# Altium PCB neuro_module.PcbDoc (part 3 of 5)
Units mm, origin at the board's own origin, x right, y up, seen from the top; angles counter-clockwise.
Board outline 96.06 x 102.67 mm, 6 copper layers (Top Layer, Power Layer, Signal Layer 1, GND Plane, Signal Layer 2, Bottom Layer), stack 1.48 mm thick; 479 components, 526 nets, 1822 pads, 1001 vias.
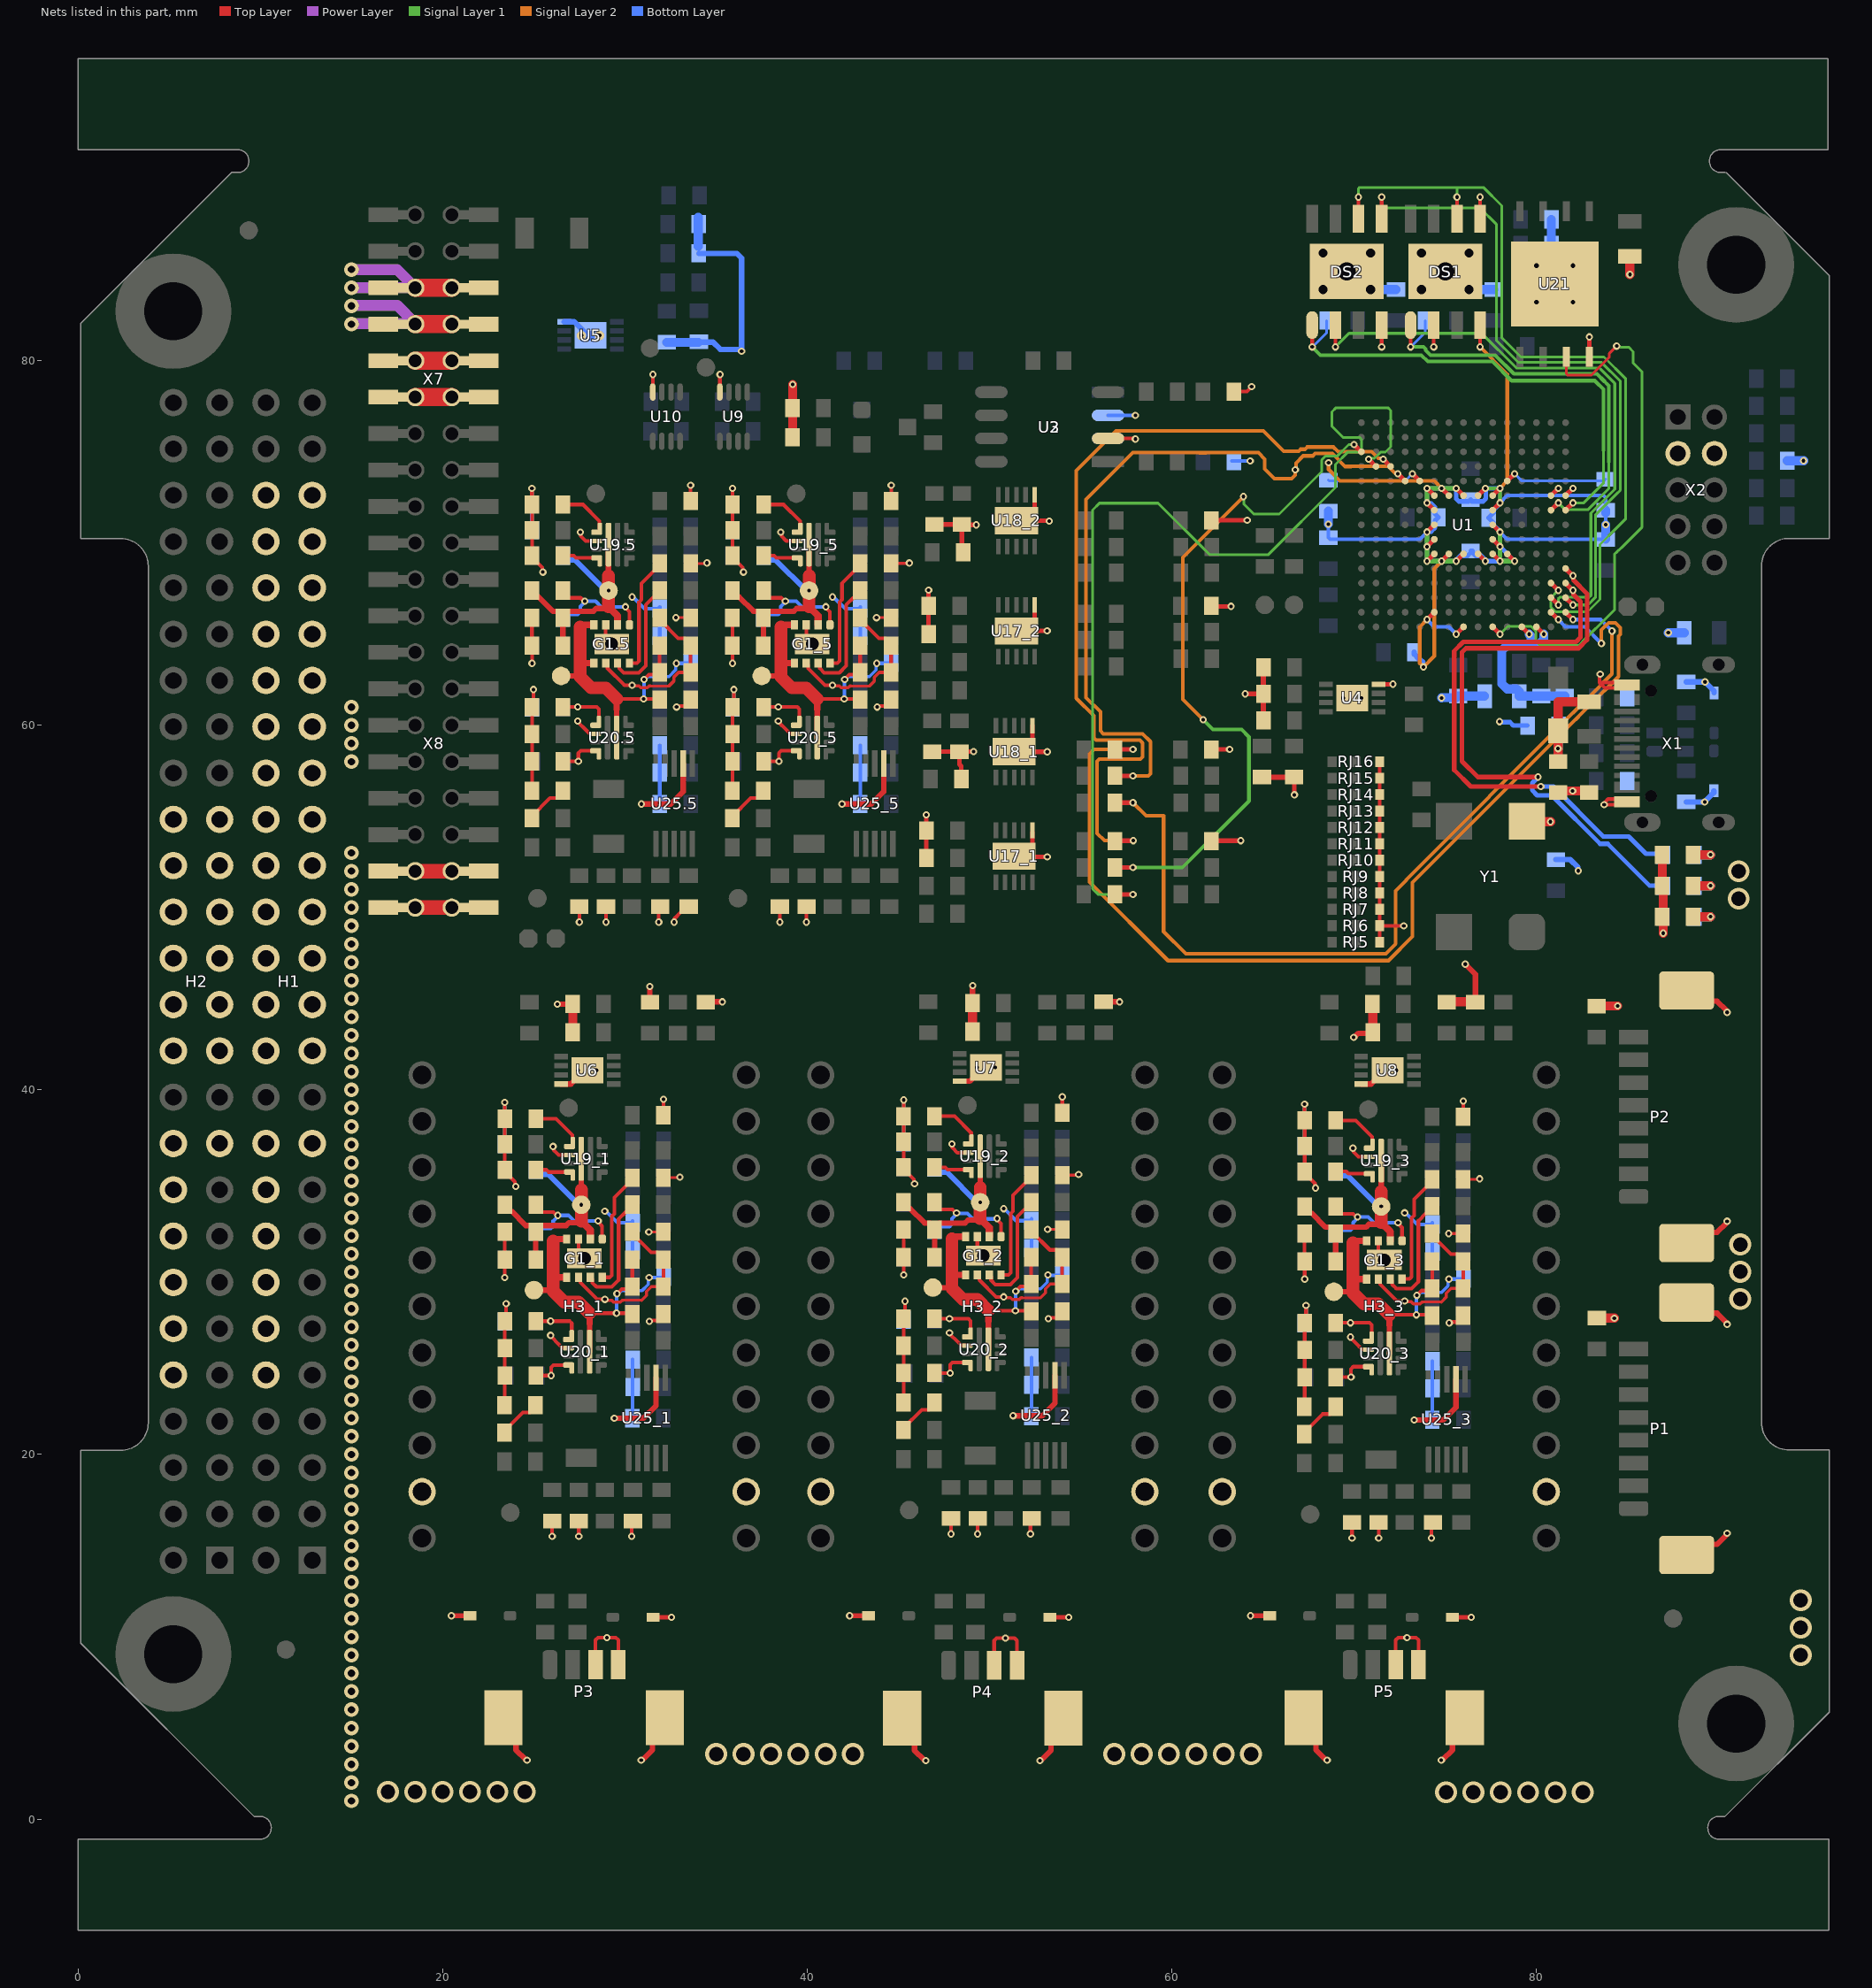
[diagram p7: the nets of this part, all layers, seen from the top]

## Via types
v1: diameter 0.4, hole 0.2, Top Layer to Bottom Layer, tented both sides, 835 vias
v2: diameter 0.8, hole 0.4, Top Layer to Bottom Layer, tented both sides, 89 vias
v3: diameter 1.2, hole 0.8, Top Layer to Bottom Layer, 32 vias
v4: diameter 0.6, hole 0.6, Top Layer to Bottom Layer, tented both sides, 16 vias
v5: diameter 0.4, hole 0.2, Top Layer to Bottom Layer, 11 vias
v6: diameter 0.5, hole 0.2, Top Layer to Bottom Layer, tented top, 8 vias
v7: diameter 0.5, hole 0.25, Top Layer to Bottom Layer, tented both sides, 4 vias
v8: diameter 0.9, hole 0.9, Top Layer to Bottom Layer, 3 vias
v9: diameter 0.5, hole 0.2, Top Layer to Bottom Layer, tented bottom, 2 vias
v10: diameter 0.8, hole 0.5, Top Layer to Bottom Layer, 1 vias

## Nets (pads, with @x,y where several pads share a name; then routed paths per layer and width w, separated by ;. In a path a pad name is that pad's centre, name@x,y a point inside that pad or via, vN(x,y) a via of type N, cw(c..) or ccw(c..) an arc to the next point about the centre after c; other vN are vias at no path point) (continued)
FLASH_WP_IO2: U1.K1 U21.3 | length 29.1
  Top Layer w0.15: U21.3@81.64,80.22 81.64,79.288 81.728,79.2 83,79.2 84,80.2 84,80.4 v1(84.4,80.8)
  Top Layer w0.25: U1.K1@77.6,65.4 v1(78,65)
  Signal Layer 1 w0.15: v1(78,65) 78.425,65.425 79.445,65.425 79.705,65.425 79.975,65.155 79.975,64.625 80.225,64.375 82.33,64.375 82.705,64.75 83.854,65.899 84.289,66.334 84.289,67.646 84.289,69.389 84.395,69.495 84.495,69.595 84.519,69.595 84.729,69.805 85.8,70.876 85.8,79.376 85.624,79.552 85.308,79.867 85.308,80.493 85.059,80.742 84.613,80.742 84.602,80.752 84.448,80.752 v1(84.4,80.8)
GND: C1.1 C2.1 C3.1 C4.1 C5_1.1 C5_2.1 C6_1.1 C6_2.1 C7.1 C8_1.1 C8_2.1 C9.5.1 C9_1.1 C9_2.1 C9_3.1 C9_5.1 C10.5.1 C10_1.1 C10_2.1 C10_3.1 C10_5.1 C11.5.1 C11_1.1 C11_2.1 C11_3.1 C11_5.1 C12.5.1 C12_1.1 C12_2.1 C12_3.1 C12_5.1 C13.5.1 C13_1.1 C13_2.1 C13_3.1 C13_5.1 C14.5.1 C14_1.1 C14_2.1 C14_3.1 C14_5.1 C15.5.1 C15_1.1 C15_2.1 C15_3.1 C15_5.1 C16.5.1 C16_1.1 C16_2.1 C16_3.1 C16_5.1 C17.5.1 C17_1.1 C17_2.1 C17_3.1 C17_5.1 C18.5.1 C18_1.1 C18_2.1 C18_3.1 C18_5.1 C19.5.1 C19_1.1 C19_2.1 C19_3.1 C19_5.1 C20.1 C21.1 C24.1 C25.1 C26.1 C27.1 C28.1 C29.1 C30.1 C31.1 C32.5.1 C32_1.1 C32_2.1 C32_3.1 C32_5.1 C33.1 C34.1 C35.1 C36.1 C37.1 C40.1 C41.1 C42.1 C45.1 C46.1 C47.1 C48.1 C49.1 D1.5.2 D1_1.2 D1_2.2 D1_3.2 D1_5.2 D2.2 D3.2 D4.2 DS1.4 DS1.TP DS2.4 DS2.TP G1.5.3 G1.5.9 G1_1.3 G1_1.9 G1_2.3 G1_2.9 G1_3.3 G1_3.9 G1_5.3 G1_5.9 H1.10 H1.12 H1.14 H1.16 H1.18 H2.10 H2.12 H2.14 H2.16 H2.18 H3_1.2 H3_1.21 H3_2.2 H3_2.21 H3_3.2 H3_3.21 L3.2 L5.1 P1.MP1 P1.MP2 P2.MP1 P2.MP2 P3.3 P3.4 P3.MP1 P3.MP2 P4.3 P4.4 P4.MP1 P4.MP2 P5.3 P5.4 P5.MP1 P5.MP2 R9.1 R11_1.1 R11_2.1 R12.1 R13.1 R14.1 R16.1 R23.5.1 R23_1.1 R23_2.1 R23_3.1 R23_5.1 R27.5.1 R27_1.1 R27_2.1 R27_3.1 R27_5.1 R28.5.1 R28_1.1 R28_2.1 R28_3.1 R28_5.1 R30.5.1 R30_1.1 R30_2.1 R30_3.1 R30_5.1 R35.5.2 R35_1.2 R35_2.2 R35_3.2 R35_5.2 R40.5.1 R40_1.1 R40_2.1 R40_3.1 R40_5.1 R43.5.1 R43_1.1 R43_2.1 R43_3.1 R43_5.1 R44.5.1 R44_1.1 R44_2.1 R44_3.1 R44_5.1 R45.5.1 R45_1.1 R45_2.1 R45_3.1 R45_5.1 R52.1 R53_1.1 R53_2.1 R56.1 R61_1.1 R61_2.1 R62_1.1 R62_2.1 R65.1 R68.1 R69.1 R73.2 R74.1 R76.1 R78.1 R84.5.1 R85.5.1 R85_1.1 R85_2.1 R85_3.1 R89.1 R90.1 R94.1 R102.1 R103.1 R107.1 R108.1 R115.1 RJ5.2 RJ6.2 RJ7.2 RJ8.2 RJ9.2 RJ10.2 RJ11.2 RJ12.2 RJ13.2 RJ14.2 RJ15.2 RJ16.2 U1.F2 U1.F6 U1.F7 U1.F8 U1.F9 U1.F10 U1.G6 U1.G10 U1.H1 U1.H6 U1.H10 U1.J6 U1.J10 U1.K6 U1.K7 U1.K8 U1.K9 U1.K10 U1.L6 U2.2 U3.2 U4.4 U4.9 U5.4 U5.9 U6.4 U6.9 U7.4 U7.9 U8.4 U8.9 U9.4 U10.4 U17_1.6 U17_1.11 U17_2.6 U17_2.11 U18_1.6 U18_1.11 U18_2.6 U18_2.11 U19.5.8 U19_1.8 U19_2.8 U19_3.8 U19_5.8 U20.5.8 U20_1.8 U20_2.8 U20_3.8 U20_5.8 U21.4 U21.9 U25.5.7 U25_1.7 U25_2.7 U25_3.7 U25_5.7 VD1_1.2 VD1_2.2 VD1_3.2 VD2_1.2 VD2_2.2 VD2_3.2 VD4.2 VD5.2 X1.A1 X1.A12 X1.B1 X1.B12 X2.3 X2.4 X7.5 X7.6 X7.7 X7.8 X7.9 X7.10 X7.11 X7.12 X8.17 X8.18 X8.19 X8.20 Y1.2 | length 478.2
  Top Layer w0.1: U6.9@27.792,41.072 U6.9@27.942,41.072
  Top Layer w0.15: v1(31.309,32.209) R35_1.2@32.109,32.209 ; C15_1.1@32.109,35.184 v1@32.979,35.184 ; v1(32.8,65.9) R35.5.2@33.6,65.9 ; C15.5.1@33.6,68.875 34.47,68.875 v1(34.503,68.908) ; v1(43.8,65.9) R35_5.2@44.6,65.9 ; C15_5.1@44.6,68.875 v1@45.47,68.875 ; C15_5.1@44.7,68.9 v1(45.6,68.9) ; v1(53.188,32.346) R35_2.2@53.988,32.346 ; C15_2.1@53.988,35.321 v1@54.858,35.321 ; v1(75.185,32.118) R35_3.2@75.985,32.118 ; C15_3.1@75.985,35.093 v1@76.854,35.093
  Top Layer w0.2: C11_1.1@23.409,32.209 C10_1.1@23.409,30.684 23.412,30.682 v1(23.412,29.709) ; v1(23.409,39.309) 23.409,38.42 C13_1.1@23.412,38.417 ; C19_1.1@23.412,27.313 23.412,22.766 D1_1.2@23.469,22.709 ; C13_1.1@23.412,38.217 23.412,35.517 23.971,34.958 23.971,34.747 v1(24.009,34.709) ; C19_1.1@23.487,27.389 v1(23.487,28.27) ; C11.5.1@24.9,65.9 C10.5.1@24.9,64.375 24.903,64.372 v1(24.903,63.4) ; v1(24.9,73) 24.9,72.111 C13.5.1@24.903,72.108 ; C19.5.1@24.903,61.004 R45.5.1@24.903,59.523 C18.5.1@24.903,58.023 24.903,56.457 D1.5.2@24.96,56.4 ; C13.5.1@24.903,71.908 R30.5.1@24.903,70.708 24.903,69.208 25.462,68.649 25.462,68.438 v1(25.5,68.4) ; C19.5.1@24.978,61.08 v1(24.978,61.961) ; v1(25.923,26.534) 25.923,26.497 26.393,26.027 26.56,25.859 26.884,25.859 U20_1.8@26.909,25.834 ; v1(26.009,15.509) C16_1.1@26.009,16.358 ; v1(26.059,36.895) 26.097,36.857 26.097,36.683 26.36,36.42 U19_1.8@26.96,36.42 ; v1(27.413,60.225) 27.413,60.187 27.883,59.717 28.051,59.55 28.375,59.55 U20.5.8@28.4,59.525 ; G1_1.3@27.457,31.816 27.457,31.298 27.782,30.973 G1_1.9@27.782,30.766 ; v1(27.47,15.509) C17_1.1@27.47,16.358 ; v1(27.5,49.2) C16.5.1@27.5,50.049 ; v1(27.549,70.586) 27.588,70.548 27.588,70.374 27.85,70.111 U19.5.8@28.45,70.111 ; P3.3@28.387,8.463 28.387,9.82 28.524,9.957 v1(29.007,9.957) 29.502,9.957 29.637,9.822 P3.4@29.637,8.463 ; G1.5.3@28.947,65.506 28.947,64.989 29.272,64.664 G1.5.9@29.272,64.456 ; v1(28.96,49.2) C17.5.1@28.96,50.049 ; v1(30.367,15.509) 30.367,16.18 30.545,16.358 R85_1.1@30.445,16.358 ; v1(31.344,27.309) 31.399,27.309 31.448,27.359 31.809,27.359 32.109,27.659 C14_1.1@32.109,27.709 ; U10.4@31.526,78.28 v1@31.526,79.237 ; v1(31.857,49.2) 31.857,49.871 32.035,50.049 R85.5.1@31.935,50.049 ; C9_1.1@32.109,38.609 32.114,38.614 v1(32.114,39.479) ; v1(32.7,49.2) 32.738,49.238 32.738,49.421 33.066,49.749 33.2,49.749 R84.5.1@33.5,50.049 ; v1(32.835,61) 32.889,61 32.939,61.05 33.3,61.05 33.6,61.35 C14.5.1@33.6,61.4 ; C9.5.1@33.6,72.3 33.605,72.305 v1(33.605,73.17) ; U9.4@35.209,78.28 v1@35.209,79.237 ; C11_5.1@35.9,65.9 C10_5.1@35.9,64.375 35.903,64.372 v1(35.903,63.4) ; v1(35.9,73) 35.9,72.111 C13_5.1@35.903,72.108 ; C19_5.1@35.903,61.004 35.903,56.457 D1_5.2@35.96,56.4 ; C13_5.1@35.903,71.908 35.903,69.208 36.462,68.649 36.462,68.438 v1(36.5,68.4) ; C19_5.1@35.978,61.08 v1(35.978,61.961) ; v1(38.413,60.225) 38.413,60.187 38.883,59.717 39.051,59.55 39.375,59.55 U20_5.8@39.4,59.525 ; v1(38.5,49.2) C16_5.1@38.5,50.049 ; v1(38.549,70.586) 38.588,70.548 38.588,70.374 38.85,70.111 U19_5.8@39.45,70.111 ; G1_5.3@39.947,65.506 39.947,64.989 40.272,64.664 G1_5.9@40.272,64.456 ; v1(39.96,49.2) C17_5.1@39.96,50.049 ; v1(43.835,61) 43.889,61 43.939,61.05 44.3,61.05 44.6,61.35 C14_5.1@44.6,61.4 ; C9_5.1@44.6,72.3 44.605,72.305 v1(44.605,73.17) ; C11_2.1@45.288,32.346 C10_2.1@45.288,30.821 45.291,30.819 v1(45.291,29.846) ; v1(45.288,39.446) 45.288,38.557 C13_2.1@45.291,38.554 ; C19_2.1@45.291,27.45 45.291,22.903 D1_2.2@45.348,22.846 ; C13_2.1@45.291,38.354 45.291,35.654 45.85,35.095 45.85,34.884 v1(45.888,34.846) ; C19_2.1@45.366,27.526 v1(45.366,28.407) ; v1(47.802,26.671) 47.802,26.634 48.272,26.164 48.439,25.996 48.763,25.996 U20_2.8@48.788,25.971 ; v1(47.888,15.646) C16_2.1@47.888,16.495 ; v1(47.938,37.032) 47.976,36.994 47.976,36.82 48.239,36.557 U19_2.8@48.839,36.557 ; G1_2.3@49.336,31.953 49.336,31.435 49.661,31.11 G1_2.9@49.661,30.903 ; v1(49.349,15.646) C17_2.1@49.349,16.495 ; P4.3@50.257,8.437 50.257,9.794 50.394,9.931 51.372,9.931 51.507,9.797 P4.4@51.507,8.437 ; U18_1.11@51.352,58.552 U18_1.11@51.452,58.652 ; v1(52.246,15.646) 52.246,16.317 52.424,16.495 R85_2.1@52.324,16.495 ; v1(53.223,27.446) 53.277,27.446 53.327,27.496 53.688,27.496 53.988,27.796 C14_2.1@53.988,27.846 ; C9_2.1@53.988,38.746 53.993,38.751 v1(53.993,39.616) ; U2.2@56.5,75.73 57.97,75.73 v1(58,75.7) ; R56.1@63.4,78.3 64.12,78.3 64.38,78.56 v1(64.38,78.581) ; C11_3.1@67.285,32.118 C10_3.1@67.285,30.593 67.287,30.59 v1(67.287,29.618) ; v1(67.285,39.218) 67.285,38.328 C13_3.1@67.287,38.326 ; C19_3.1@67.287,27.222 67.287,22.675 D1_3.2@67.344,22.618 ; C13_3.1@67.287,38.126 67.287,35.426 67.846,34.867 67.846,34.656 v1(67.885,34.618) ; C19_3.1@67.363,27.297 v1(67.363,28.179) ; v1(69.798,26.443) 69.798,26.405 70.268,25.935 70.435,25.768 70.76,25.768 U20_3.8@70.785,25.743 ; v1(69.885,15.418) C16_3.1@69.885,16.266 ; v1(69.934,36.804) 69.972,36.765 69.972,36.591 70.235,36.329 U19_3.8@70.835,36.329 ; G1_3.3@71.332,31.724 71.332,31.207 71.657,30.882 G1_3.9@71.657,30.674 ; v1(71.345,15.418) C17_3.1@71.345,16.266 ; RJ5.2@71.4,48.1 RJ8.2@71.4,50.8 RJ9.2@71.4,51.7 RJ10.2@71.4,52.6 RJ11.2@71.4,53.5 RJ12.2@71.4,54.4 RJ13.2@71.4,55.3 RJ14.2@71.4,56.2 RJ15.2@71.4,57.1 RJ16.2@71.4,58 ; v1(71.51,80.75) DS2.4@71.51,81.95 ; RJ6.2@71.55,48.997 v1(72.727,48.997) ; P5.3@72.278,8.463 72.278,9.82 72.415,9.957 73.394,9.957 73.528,9.822 P5.4@73.528,8.463 ; v1(74.242,15.418) 74.242,16.088 74.42,16.266 R85_3.1@74.32,16.266 ; v1(75.22,27.218) 75.274,27.218 75.323,27.267 75.685,27.267 75.985,27.567 C14_3.1@75.985,27.618 ; C9_3.1@75.985,38.518 75.99,38.523 v1(75.99,39.388) ; v1(76.91,80.75) DS1.4@76.91,81.95 ; 83.466,62.33 83.746,62.05 84.788,62.05 84.863,62.05 X1.B1@84.969,62.05 ; v1(83.496,62.808) 83.466,62.778 83.466,62.35 X1.A12@84.969,62.35 ; X1.A1@84.969,55.65 v1(83.718,55.65) 83.757,55.689 83.757,55.772 83.935,55.95 X1.B12@84.969,55.95
  Top Layer w0.25: v1(20.481,11.157) VD2_1.2@21.522,11.157 ; VD1_1.2@31.513,11.074 v1(32.554,11.074) ; v1(42.326,11.152) VD2_2.2@43.368,11.152 ; R61_1.1@46.52,54.23 46.533,54.243 v1(46.533,55.093) ; R53_1.1@46.533,52.717 R61_1.1@46.533,54.217 ; R53_2.1@46.66,64.999 R61_2.1@46.66,66.548 ; R61_2.1@46.66,66.599 v1(46.66,67.412) ; C5_1.1@46.852,58.552 C6_1.1@48.352,58.552 ; C5_2.1@46.979,71.016 C6_2.1@48.479,71.016 48.503,70.993 v1(49.276,70.993) ; C8_1.1@48.452,57.052 48.452,57.752 48.352,57.852 C6_1.1@48.352,58.552 ; C6_2.1@48.487,71.009 48.487,69.522 C8_2.1@48.565,69.444 ; v1(49.126,58.552) C6_1.1@48.352,58.552 ; U17_1.11@51.452,52.814 U17_1.11@52.352,52.814 ; U18_1.11@51.452,58.652 U18_1.11@52.352,58.652 ; U17_2.11@51.479,65.17 51.486,65.176 v1(53.161,65.176) ; U18_2.11@51.579,71.219 U18_2.11@52.479,71.219 ; U17_1.6@52.352,54.134 U17_1.11@52.352,52.814 ; U18_1.6@52.352,59.972 U18_1.11@52.352,58.652 ; U17_2.11@52.479,65.79 U17_2.6@52.479,66.59 ; U18_2.6@52.479,72.539 U18_2.11@52.479,71.219 ; v1(53.166,52.781) 52.407,52.781 52.374,52.814 U17_1.11@52.352,52.814 ; v1(53.166,58.547) 52.407,58.547 52.352,58.602 U18_1.11@52.352,58.652 ; v1(53.27,71.196) 53.245,71.222 52.534,71.222 52.532,71.219 U18_2.11@52.479,71.219 ; VD1_2.2@53.305,11.074 v1(54.346,11.074) ; R62_1.1@62.179,58.674 v1(63.17,58.674) ; R11_2.1@62.179,66.548 62.205,66.523 v1(63.246,66.523) ; R62_2.1@62.179,71.234 62.193,71.247 v1(64.135,71.247) ; R11_1.1@62.205,53.67 v1(63.779,53.67) ; v1(64.024,61.723) R12.1@65.024,61.723 ; v1(64.323,11.152) VD2_3.2@65.364,11.152 ; C40.1@66.7,57.152 66.726,57.126 v1(66.726,56.185) ; U4.4@71.351,62.243 71.357,62.249 72.13,62.249 v1(72.136,62.255) ; v1(74,65.8) U1.F2@74.4,66.2 ; v1(74,69) U1.F6@74.4,69.4 ; v1(74,69.8) U1.F7@74.4,70.2 ; v1(74,70.6) U1.F8@74.4,71 ; v1(74,72.2) U1.F9@74.4,71.8 ; v1(74,73) U1.F10@74.4,72.6 ; v1(74.8,69) U1.G6@75.2,69.4 ; v1(74.8,73) U1.G10@75.2,72.6 ; VD1_3.2@75.385,11.073 v1(76.427,11.073) ; v1(75.6,65) U1.H1@76,65.4 ; v1(75.6,69) U1.H6@76,69.4 ; v1(75.6,73) U1.H10@76,72.6 ; U1.J6@76.8,69.4 v1(77.2,69) ; U1.J10@76.8,72.6 v1(77.2,73) ; U1.K6@77.6,69.4 v1(78,69) ; U1.K7@77.6,70.2 v1(78,69.8) ; U1.K8@77.6,71 v1(78,70.6) ; U1.K9@77.6,71.8 v1(78,72.2) ; U1.K10@77.6,72.6 v1(78,73) ; U1.L6@78.4,69.4 v1(78.8,69) ; v1(82.9,81.3) 82.91,81.29 U21.4@82.91,80.22
  Top Layer w0.3: P3.MP1@24.021,4.878 24.021,3.788 v1@24.547,3.263 ; v1(26.292,44.704) C2.1@27.14,44.704 ; U6.4@26.492,40.322 27.042,40.322 U6.9@27.792,41.072 ; v1(29.415,21.989) 31.024,21.989 31.709,22.674 U25_1.7@31.709,24.209 ; v1(30.906,55.68) 32.515,55.68 33.2,56.365 U25.5.7@33.2,57.9 ; v1@30.977,3.263 31.503,3.788 P3.MP2@31.503,4.878 ; R68.1@31.369,44.806 v1(31.369,45.677) ; R65.1@34.442,44.806 34.468,44.831 v1(35.339,44.831) ; v1(41.906,55.68) 43.515,55.68 44.2,56.365 U25_5.7@44.2,57.9 ; P4.MP1@45.891,4.853 45.891,3.763 v1@46.417,3.237 ; U7.4@48.359,40.474 48.909,40.474 U7.9@49.659,41.224 ; C47.1@49.06,44.757 49.067,44.763 49.067,45.714 v1(49.073,45.72) ; v1(51.294,22.126) 52.903,22.126 53.588,22.811 U25_2.7@53.588,24.346 ; v1@52.847,3.237 53.372,3.763 P4.MP2@53.372,4.853 ; R69.1@56.259,44.831 v1(57.131,44.831) ; C31.1@64.948,57.152 C40.1@66.7,57.152 ; R13.1@65.024,60.274 R12.1@65.024,61.723 R9.1@65.024,63.17 ; P5.MP1@67.913,4.878 67.913,3.788 v1@68.438,3.263 ; v1(69.977,42.875) 70.004,42.875 70.233,43.104 70.968,43.104 C48.1@71.031,43.167 ; U8.4@70.383,40.322 70.933,40.322 U8.9@71.683,41.072 ; v1(73.291,21.897) 74.899,21.897 75.585,22.582 U25_3.7@75.585,24.118 ; v1@74.868,3.263 75.394,3.788 P5.MP2@75.394,4.878 ; v1(76.098,46.899) 76.658,46.339 R76.1@76.658,44.878 ; P1.MP1@88.822,15.071 89.912,15.071 v1@90.438,15.597 ; P1.MP2@88.822,27.753 89.912,27.753 v1@90.438,27.227 ; P2.MP1@88.822,32.183 89.912,32.183 v1@90.438,32.709 ; P2.MP2@88.822,44.865 89.912,44.865 v1@90.438,44.339
  Top Layer w0.5: C1.1@27.14,43.167 C2.1@27.14,44.704 ; R108.1@39.2,75.8 R107.1@39.2,77.4 v1(39.2,78.7) ; C46.1@49.06,43.22 C47.1@49.06,44.757 ; C48.1@71.031,43.167 C49.1@71.031,44.704 ; R78.1@75.083,44.84 R76.1@76.62,44.84 ; Y1.2@79.483,54.712 v1@80.797,54.712 ; C27.1@81.19,56.393 C26.1@82.89,56.393 ; R52.1@83.32,27.481 v1@84.271,27.481 ; R115.1@83.326,44.602 v1(84.455,44.602) ; v1(85.127,84.727) R103.1@85.127,85.727 ; D2.2@86.904,52.897 D3.2@86.904,51.197 86.955,51.146 86.955,49.548 D4.2@86.904,49.497 86.955,49.446 v1(86.955,48.597)
  Top Layer w0.8: X8.20@18.5,50 X8.19@20.5,50 ; X8.18@18.5,52 X8.17@20.5,52
  Top Layer w1: X7.12@18.5,78 X7.11@20.5,78 ; X7.10@18.5,80 X7.9@20.5,80 ; X7.8@18.5,82 X7.7@20.5,82 ; X7.6@18.5,84 X7.5@20.5,84
  Power Layer w0.6: v2(15,84) X7.6@18.5,84 17.5,85 v2(15,85) ; v2@15.011,82.033 18.511,82.033 17.511,83.033 v2@15.011,83.033
  Signal Layer 1 w0.2: v1(77.2,73) v1(78,73) v1(78,72.2)
  Signal Layer 1 w0.25: v1(74,70.6) v1(74,69.8) v1(74,69) v1(74.8,69) v1(75.6,69) ; v1(74,72.2) v1(74,73) v1(74.8,73) v1(75.6,73) ; v1(78,70.6) v1(78,69.8) v1(78,69) v1(78.8,69)
  Signal Layer 2 w0.2: v1(68.6,74.4) 68.6,74.027 69.227,73.4 74.4,73.4 v1(74.8,73) ; v1(74,65.8) 73.6,65.4 73.6,63.4 v1(73.8,63.2) 74.4,63.8 74.4,68.6 v1(74.8,69) ; v1(76.91,80.75) 78.4,79.26 78.4,73.4 v1(78,73) v1(78,72.2)
  Signal Layer 2 w0.25: v1(74,69) v1(74.8,69) ; v1(78,70.6) v1(78,69.8) v1(78,69) v1(78.8,69)
  Bottom Layer w0.1: U5.9@27.968,81.382 U5.9@28.118,81.382
  Bottom Layer w0.2: R23_1.1@23.409,36.815 R23_1.1@23.412,36.817 ; v1(23.409,39.309) 23.409,37.02 R23_1.1@23.412,37.017 ; R40_1.1@23.445,27.282 23.487,27.324 v1(23.487,28.27) ; R23.5.1@24.9,70.505 R23.5.1@24.903,70.508 ; v1(24.9,73) 24.9,70.711 R23.5.1@24.903,70.708 ; R40.5.1@24.935,60.973 24.978,61.015 v1(24.978,61.961) ; v1(28.899,33.347) 28.953,33.347 29.591,32.709 R28_1.1@30.421,32.709 ; v1(29.415,21.989) C32_1.1@30.414,21.989 ; v1(30.389,67.038) 30.443,67.038 31.082,66.4 R28.5.1@31.911,66.4 ; C32_1.1@30.421,22.309 R44_1.1@30.421,25.209 ; R27_1.1@30.421,31.209 R28_1.1@30.421,32.709 ; R28_1.1@30.421,32.809 R28_1.1@30.421,32.709 ; v1(30.906,55.68) C32.5.1@31.905,55.68 ; C32.5.1@31.911,56 R43.5.1@31.911,57.4 R44.5.1@31.911,58.9 ; R27.5.1@31.911,64.9 R28.5.1@31.911,66.4 ; R28.5.1@31.911,66.5 R28.5.1@31.911,66.4 ; R23_5.1@35.9,70.505 R23_5.1@35.903,70.508 ; v1(35.9,73) 35.9,70.711 R23_5.1@35.903,70.708 ; R40_5.1@35.935,60.973 35.978,61.015 v1(35.978,61.961) ; v1(41.389,67.038) 41.443,67.038 42.082,66.4 R28_5.1@42.911,66.4 ; v1(41.906,55.68) C32_5.1@42.905,55.68 ; C32_5.1@42.911,56 R44_5.1@42.911,58.9 ; R27_5.1@42.911,64.9 R28_5.1@42.911,66.4 ; R28_5.1@42.911,66.5 R28_5.1@42.911,66.4 ; R23_2.1@45.288,36.926 R23_2.1@45.291,36.929 ; v1@45.288,39.421 45.288,37.131 R23_2.1@45.291,37.129 ; R40_2.1@45.324,27.393 45.366,27.436 v1@45.366,28.382 ; v1@50.778,33.459 50.832,33.459 51.47,32.821 R28_2.1@52.299,32.821 ; v1@51.294,22.101 C32_2.1@52.293,22.101 ; C32_2.1@52.299,22.421 R44_2.1@52.299,25.321 ; R27_2.1@52.299,31.321 R28_2.1@52.299,32.821 ; R28_2.1@52.299,32.921 R28_2.1@52.299,32.821 ; U3.2@56.5,77 v1(58,77) ; R102.1@63.3,74.5 v1(64.3,74.5) ; R23_3.1@67.285,36.723 R23_3.1@67.287,36.726 ; v1(67.285,39.218) 67.285,36.928 R23_3.1@67.287,36.926 ; R40_3.1@67.32,27.19 67.363,27.233 v1(67.363,28.179) ; v1(68.587,71.025) R89.1@68.587,70.3 68.687,70.2 73.6,70.2 v1(74,70.6) ; v1(72.774,33.256) 72.828,33.256 73.466,32.618 R28_3.1@74.296,32.618 ; v1(73.291,21.897) C32_3.1@74.29,21.897 ; C32_3.1@74.296,22.218 R44_3.1@74.296,25.118 ; R27_3.1@74.296,31.118 R28_3.1@74.296,32.618 ; R28_3.1@74.296,32.718 R28_3.1@74.296,32.618 ; v1(74.8,69) 74.4,68.6 74.4,66.2 v1(74,65.8) 74.4,65.4 75.2,65.4 v1(75.6,65) ; v1(78,70.6) 78.4,70.2 R90.1@83.8,70.2 ; v1(78,72.2) 78.4,72.6 83.683,72.6 83.8,72.483 C35.1@83.8,71.8 ; v1(83.8,71) C35.1@83.8,71.639
  Bottom Layer w0.25: C3.1@76.395,72.384 76.286,72.275 75.746,72.275 75.6,72.421 v1(75.6,73) v1(74.8,73) v1(74,73) v1(74,72.2) 74.029,72.171 74.229,72.171 74.436,71.964 74.436,71.595 C41.1@74.624,71.406 74.436,71.218 74.436,70.836 74.229,70.629 74.029,70.629 v1(74,70.6) v1(74,69.8) v1(74,69) v1(74.8,69) v1(75.6,69) 75.629,69.029 75.629,69.099 75.821,69.291 76.221,69.291 C36.1@76.446,69.516 ; C36.1@76.396,69.566 C36.1@76.446,69.516 ; C3.1@76.456,72.275 77.075,72.275 77.232,72.432 77.232,72.927 77.2,72.959 v1(77.2,73) v1(78,73) v1(78,72.2) 78,72.159 77.649,71.808 77.649,71.653 C4.1@77.374,71.378 77.649,71.103 77.649,70.992 78,70.641 v1(78,70.6) v1(78,69.8) v1(78.8,69) v1(78,69) v1(77.2,69) 77.171,69.029 77.171,69.099 76.979,69.291 76.671,69.291 C36.1@76.446,69.516 ; C36.1@76.496,69.566 C36.1@76.446,69.516 ; C20.1@77.663,83.9 C20.1@77.7,83.863 ; v1(77.978,60.198) 78.007,60.169 78.546,60.169 78.732,59.983 C28.1@79.507,59.983
  Bottom Layer w0.3: U5.4@26.668,82.132 27.218,82.132 U5.9@27.968,81.382 ; R16.1@34.027,86.278 R16.1@34.046,86.258 ; C42.1@34.06,81.028 34.073,81.015 34.834,81.015 35.23,80.62 36.262,80.62 36.371,80.511 v1(36.398,80.511) 36.398,85.625 36.146,85.877 R16.1@34.071,85.877 ; C7.1@73.3,64 73.3,63.9 73.55,63.65 73.579,63.65 73.781,63.448 73.781,63.219 v1(73.8,63.2) ; C33.1@81.064,52.632 81.861,52.632 82.279,52.214 82.279,52.038 v1(82.299,52.019) ; R73.2@88.219,55.797 v1(89.23,55.797) 89.734,56.3 VD5.2@89.734,56.4 ; R74.1@88.219,62.377 v1(89.251,62.377) 89.751,61.877 VD4.2@89.751,61.777
  Bottom Layer w0.5: U5.9@28.08,81.343 U5.9@28.118,81.382 ; C45.1@32.299,81.002 C42.1@34.035,81.002 ; R16.1@34.027,86.278 R14.1@34.027,87.866 ; v1(68.587,71.025) C34.1@68.587,71.75 ; DS2.TP@70.9,83.9 C21.1@72.3,83.9 ; v1(74.8,61.5) 74.819,61.519 75.626,61.519 C37.1@75.703,61.595 L5.1@77.153,61.595 ; DS1.TP@76.3,83.9 C20.1@77.663,83.9 ; v7(80.005,85.21) 80.411,85.21 80.821,85.62 C24.1@80.821,86.347 ; C24.1@80.704,86.23 C24.1@80.821,86.347 ; C25.1@80.821,87.747 C24.1@80.821,86.347 ; R90.1@83.8,70.2 v1(83.8,71) ; C35.1@83.8,71.639 C35.1@83.8,71.8 ; v1(87.236,65.076) L3.2@88.119,65.076 ; R94.1@93.756,74.511 v1(94.656,74.511)
  other v1: 46.502,3.212 52.762,3.212 24.632,3.238 30.892,3.238 68.523,3.238 74.783,3.238 50.876,9.931 72.898,9.957 90.463,15.682 90.463,27.142 84.277,27.475 90.463,32.794 50.778,33.484 76.887,35.126 33.012,35.217 54.891,35.354 90.463,44.254 80.772,54.712 81.99,56.393 31.532,79.243 35.215,79.243
  other v2: 15,1 15,2 15,3 15,4 15,5 15,6 15,7 15,8 15,9 15,10 15,11 15,12 15,13 15,14 15,15 15,16 15,17 15,18 15,19 15,20 15,21 15,22 15,23 15,24 15,25 15,26 15,27 15,28 15,29 15,30 15,31 15,32 15,33 15,34 15,35 15,36 15,37 15,38 15,39 15,40 15,41 15,42 15,43 15,44 15,45 15,46 15,47 15,48 15,49 15,50 15,51 15,52 15,53 15,58 15,59 15,60 15,61 15,82 15,83
  other v3: 75.044,1.475 76.544,1.475 78.044,1.475 79.544,1.475 81.044,1.475 82.544,1.475 17,1.5 18.5,1.5 20,1.5 21.5,1.5 23,1.5 24.5,1.5 35.008,3.568 36.508,3.568 38.008,3.568 39.508,3.568 41.008,3.568 42.508,3.568 56.844,3.568 58.344,3.568 59.844,3.568 61.344,3.568 62.844,3.568 64.344,3.568 94.5,9 94.5,10.5 94.5,12 91.179,28.524 91.179,30.024 91.179,31.524 91.096,50.492 91.096,51.992